# Allegro board SDHCalFEB_old.brd (continued)
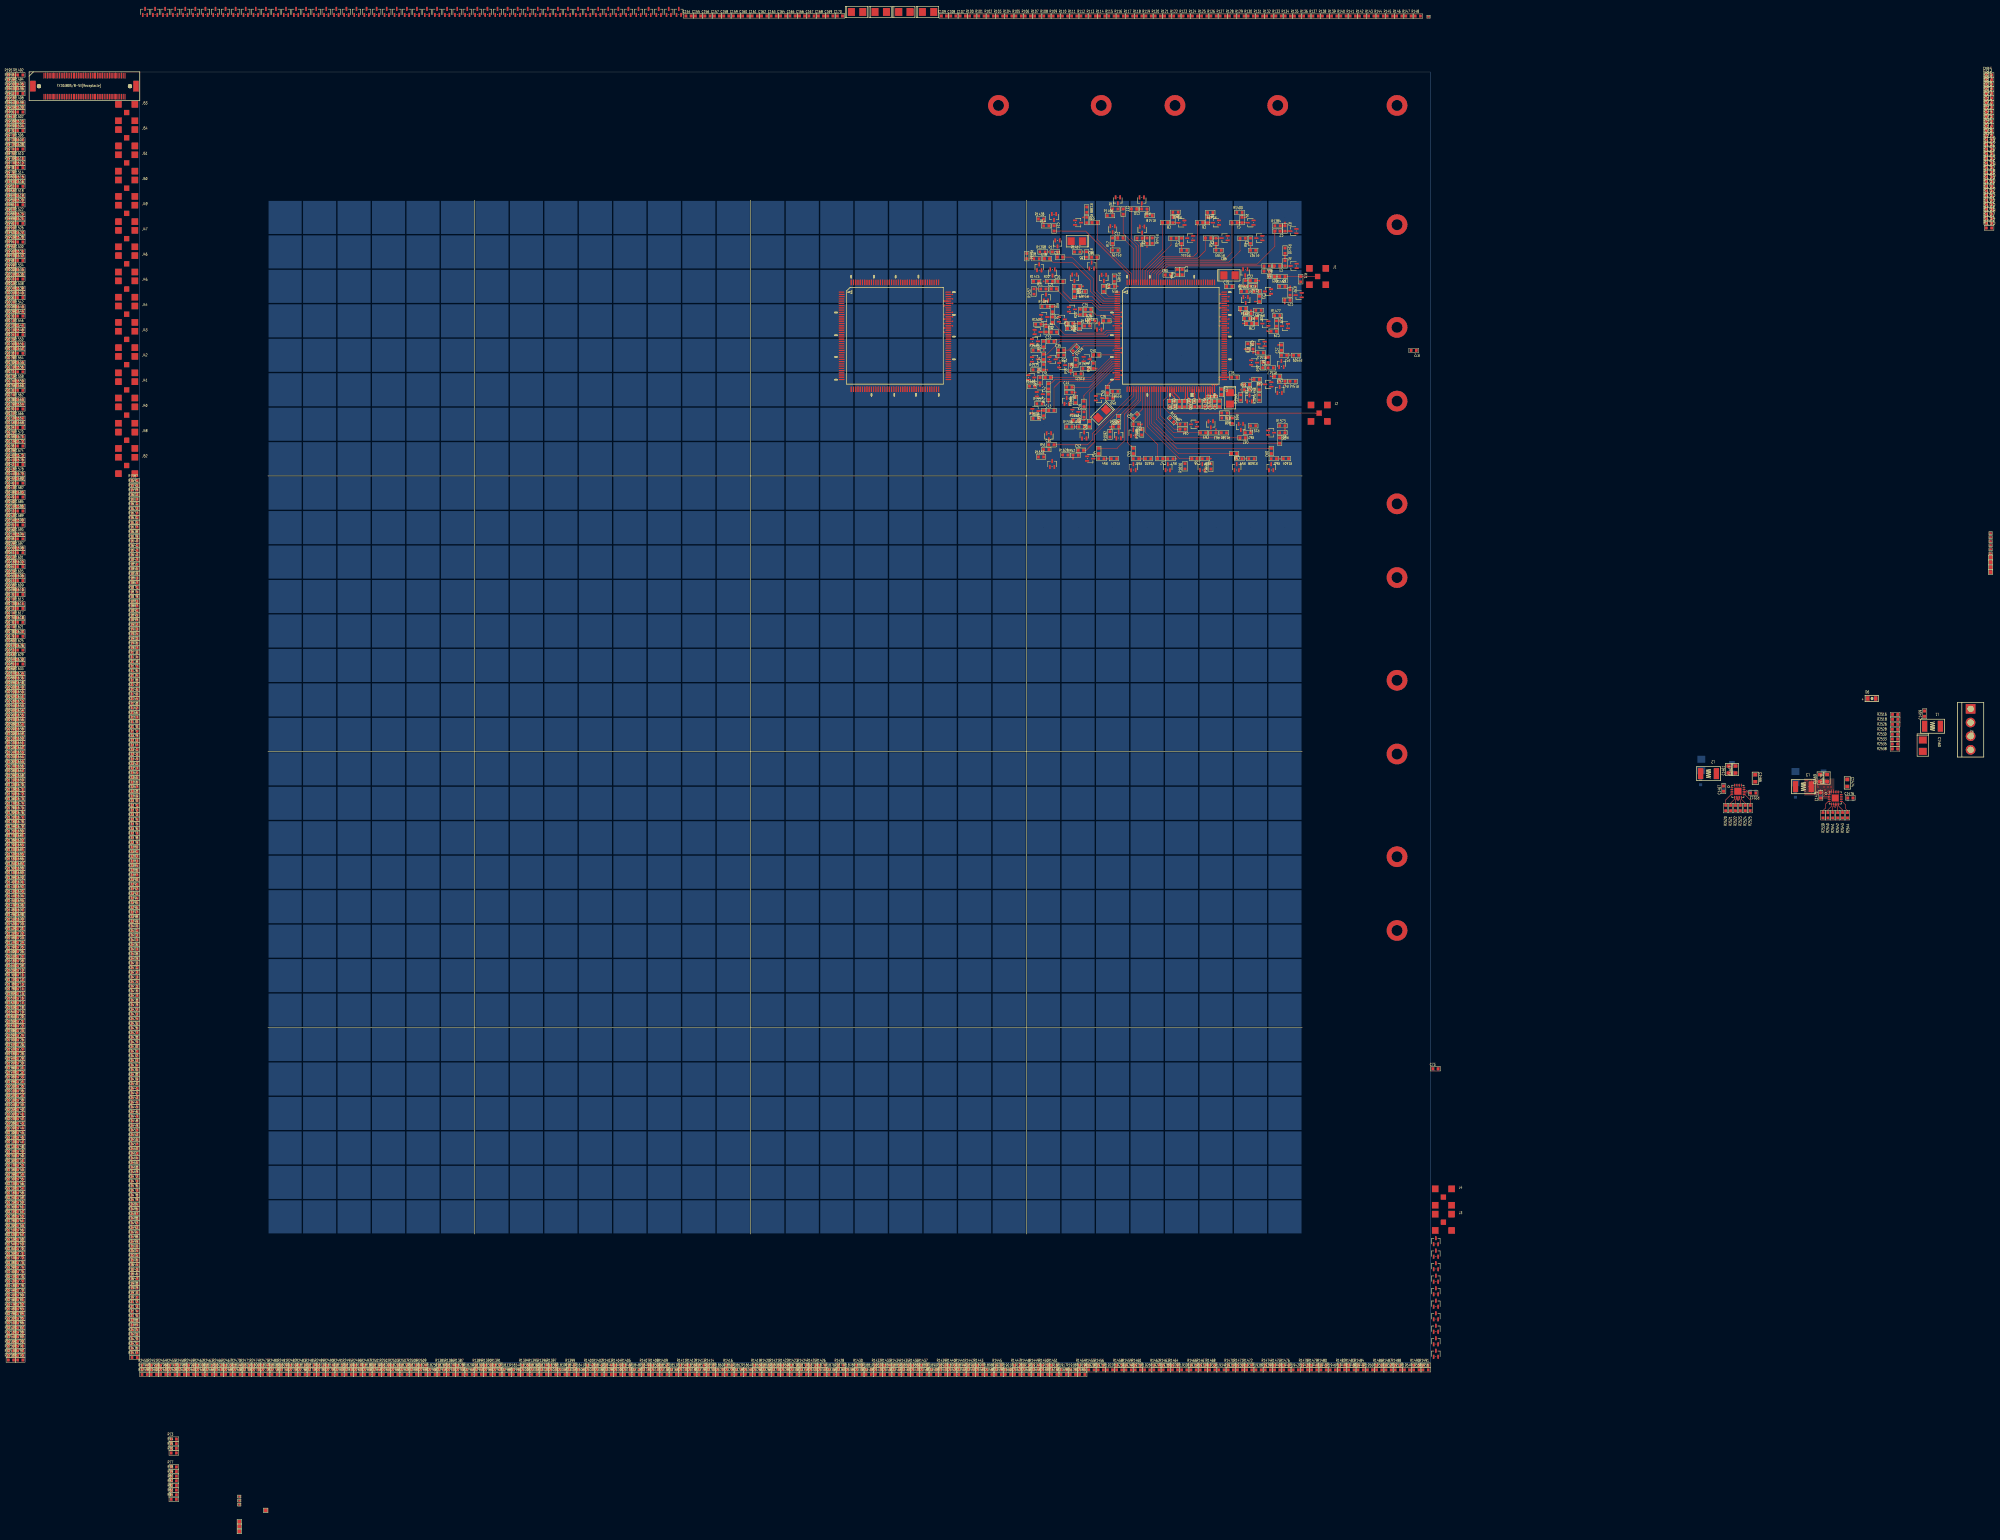
[diagram p0: board, top side]
## Placement (name value [footprint] x y rotation side) (continued)
R1485  1M  [SR0603]  324.51 305.26 180 top
R1486  1M  [SR0603]  359.54 -0.84 0 top
R1487  1M  [SR0603]  362.23 -0.84 0 top
R1488  1M  [SR0603]  364.92 -0.84 0 top
R1489  1M  [SR0603]  262.53 306.35 0 top
R1490  1M  [SR0603]  370.31 -0.84 0 top
R1491  1M  [SR0603]  373 -0.84 0 top
R1492  1M  [SR0603]  -34.64 373.56 0 top
R1493  1M  [SR0603]  275.12 304.01 180 top
R1494  1M  [SR0603]  -34.64 370.87 0 top
R1495  1M  [SR0603]  -34.64 369.52 0 top
R1496  1M  [SR0603]  -34.64 368.18 0 top
R1497  1M  [SR0603]  274.81 300.69 0 top
R1498  1M  [SR0603]  -34.64 365.48 0 top
R1499  1M  [SR0603]  -34.64 364.14 0 top
R1500  1M  [SR0603]  -34.64 362.79 0 top
R1501  1M  [SR0603]  272.61 300.69 90 top
R1502  1M  [SR0603]  -34.64 360.1 0 top
R1503  1M  [SR0603]  -34.64 358.75 0 top
R1504  1M  [SR0603]  -34.64 357.41 0 top
R1505  1M  [SR0603]  260.66 301.2 0 top
R1506  1M  [SR0603]  -34.64 354.71 0 top
R1507  1M  [SR0603]  -34.64 353.37 0 top
R1508  1M  [SR0603]  -34.64 352.02 0 top
R1509  1M  [SR0603]  335.42 292.2 180 top
R1510  1M  [SR0603]  -34.64 349.33 0 top
R1511  1M  [SR0603]  -34.64 347.98 0 top
R1512  1M  [SR0603]  -34.64 346.64 0 top
R1513  1M  [SR0603]  325.14 292.93 180 top
R1514  1M  [SR0603]  -34.64 343.95 0 top
R1515  1M  [SR0603]  -34.64 342.6 0 top
R1516  1M  [SR0603]  -34.64 341.25 0 top
R1517  1M  [SR0603]  328.06 288.57 180 top
R1518  1M  [SR0603]  -34.64 338.56 0 top
R1519  1M  [SR0603]  -34.64 337.21 0 top
R1520  1M  [SR0603]  -34.64 335.87 0 top
R1521  1M  [SR0603]  272.28 286.81 180 top
R1522  1M  [SR0603]  -34.64 333.18 0 top
R1523  1M  [SR0603]  -34.64 331.83 0 top
R1524  1M  [SR0603]  -34.64 330.48 0 top
R1525  1M  [SR0603]  259.9 287.99 0 top
R1526  1M  [SR0603]  -34.64 327.79 0 top
R1527  1M  [SR0603]  -34.64 326.44 0 top
R1528  1M  [SR0603]  -34.64 325.1 0 top
R1529  1M  [SR0603]  274.35 288.37 0 top
R1530  1M  [SR0603]  -34.64 322.41 0 top
R1531  1M  [SR0603]  -34.64 321.06 0 top
R1532  1M  [SR0603]  -34.64 319.71 0 top
R1533  1M  [SR0603]  271.25 294.06 225 top
R1534  1M  [SR0603]  -34.64 317.02 0 top
R1535  1M  [SR0603]  -34.64 315.68 0 top
R1536  1M  [SR0603]  -34.64 314.33 0 top
R1537  1M  [SR0603]  259.93 293.68 0 top
R1538  1M  [SR0603]  -34.64 311.64 0 top
R1539  1M  [SR0603]  -34.64 310.29 0 top
R1540  1M  [SR0603]  -34.64 308.94 0 top
R1541  1M  [SR0603]  334.43 284.65 180 top
R1542  1M  [SR0603]  -34.64 306.25 0 top
R1543  1M  [SR0603]  -34.64 304.91 0 top
R1544  1M  [SR0603]  -34.64 303.56 0 top
R1545  1M  [SR0603]  324.74 279.94 90 top
R1546  1M  [SR0603]  -34.64 300.87 0 top
R1547  1M  [SR0603]  -34.64 299.52 0 top
R1548  1M  [SR0603]  -34.64 298.17 0 top
R1549  1M  [SR0603]  319.35 279.97 90 top
R1550  1M  [SR0603]  -34.64 295.48 0 top
R1551  1M  [SR0603]  -34.64 294.14 0 top
R1552  1M  [SR0603]  -34.64 292.79 0 top
R1553  1M  [SR0603]  271.56 273.31 0 top
R1554  1M  [SR0603]  -34.64 290.1 0 top
R1555  1M  [SR0603]  -34.64 288.75 0 top
R1556  1M  [SR0603]  -34.64 287.4 0 top
R1557  1M  [SR0603]  260.99 278.13 0 top
R1558  1M  [SR0603]  -34.64 284.71 0 top
R1559  1M  [SR0603]  -34.64 283.37 0 top
R1560  1M  [SR0603]  -34.64 282.02 0 top
R1561  1M  [SR0603]  282.97 281.76 180 top
R1562  1M  [SR0603]  -34.64 279.33 0 top
R1563  1M  [SR0603]  -34.64 277.98 0 top
R1564  1M  [SR0603]  -34.64 276.64 0 top
R1565  1M  [SR0603]  271.45 279.23 90 top
R1566  1M  [SR0603]  -34.64 273.94 0 top
R1567  1M  [SR0603]  -34.64 272.6 0 top
R1568  1M  [SR0603]  -34.64 271.25 0 top
R1569  1M  [SR0603]  258.86 283.24 0 top
R1570  1M  [SR0603]  -34.64 268.56 0 top
R1571  1M  [SR0603]  -34.64 267.21 0 top
R1572  1M  [SR0603]  -34.64 265.87 0 top
R1573  1M  [SR0603]  331.43 271.76 0 top
R1574  1M  [SR0603]  -34.64 263.17 0 top
R1575  1M  [SR0603]  -34.64 261.83 0 top
R1576  1M  [SR0603]  -34.64 260.48 0 top
R1577  1M  [SR0603]  322.98 271.73 180 top
R1578  1M  [SR0603]  -34.64 257.79 0 top
R1579  1M  [SR0603]  -34.64 256.44 0 top
R1580  1M  [SR0603]  -34.64 255.1 0 top
R1581  1M  [SR0603]  314.47 269.69 180 top
R1582  1M  [SR0603]  -34.64 252.4 0 top
R1583  1M  [SR0603]  -34.64 251.06 0 top
R1584  1M  [SR0603]  299.43 273.4 315 top
R1585  1M  [SR0603]  -34.64 248.37 0 top
R1586  1M  [SR0603]  -34.64 247.02 0 top
R1587  0  [SR0603]  -1.45 255.83 0 top
R1588  1M  [SR0603]  290.65 269.86 90 top
R1589  1M  [SR0603]  -34.64 244.33 0 top
R1590  1M  [SR0603]  -34.64 242.98 0 top
R1591  0  [SR0603]  -1.45 254.48 0 top
R1592  1M  [SR0603]  281.45 269.25 90 top
R1593  1M  [SR0603]  -34.64 240.29 0 top
R1594  1M  [SR0603]  -34.64 238.94 0 top
R1595  0  [SR0603]  -1.45 253.14 0 top
R1596  1M  [SR0603]  269.68 271.45 0 top
R1597  1M  [SR0603]  -34.64 236.25 0 top
R1598  1M  [SR0603]  -34.64 234.9 0 top
R1599  0  [SR0603]  -1.45 251.79 0 top
R1600  1M  [SR0603]  259.9 273.87 0 top
R1601  1M  [SR0603]  -34.64 232.21 0 top
R1602  1M  [SR0603]  -34.64 230.86 0 top
R1603  0  [SR0603]  -1.45 250.45 0 top
R1604  1M  [SR0603]  332.48 262.2 180 top
R1605  1M  [SR0603]  -34.64 228.17 0 top
R1606  1M  [SR0603]  -34.64 226.83 0 top
R1607  0  [SR0603]  -1.45 249.1 0 top
R1608  1M  [SR0603]  322.49 262.2 180 top
R1609  1M  [SR0603]  -34.64 224.13 0 top
R1610  1M  [SR0603]  -34.64 222.79 0 top
R1611  0  [SR0603]  -1.45 247.75 0 top
R1612  1M  [SR0603]  310.71 259.95 90 top
R1613  1M  [SR0603]  -34.64 220.09 0 top
R1614  1M  [SR0603]  -34.64 218.75 0 top
R1615  0  [SR0603]  265.3 -3.53 0 top
R1616  1M  [SR0603]  303.2 260 90 top
R1617  1M  [SR0603]  -34.64 216.06 0 top
R1618  1M  [SR0603]  -34.64 214.71 0 top
R1619  0  [SR0603]  270.69 -3.53 0 top
R1620  1M  [SR0603]  292.5 262.2 180 top
R1621  1M  [SR0603]  -34.64 212.02 0 top
R1622  1M  [SR0603]  -34.64 210.67 0 top
R1623  0  [SR0603]  -1.45 246.41 0 top
R1624  1M  [SR0603]  282.62 262.2 180 top
R1625  1M  [SR0603]  -34.64 207.98 0 top
R1626  1M  [SR0603]  -34.64 206.63 0 top
R1627  0  [SR0603]  -1.45 245.06 0 top
R1628  1M  [SR0603]  268.49 263.25 0 top
R1629  1M  [SR0603]  -34.64 203.94 0 top
R1630  1M  [SR0603]  -34.64 202.59 0 top
R1631  0  [SR0603]  -1.45 243.71 0 top
R1632  1M  [SR0603]  261.45 262.69 0 top
R1633  1M  [SR0603]  -34.64 199.9 0 top
R1634  1M  [SR0603]  -34.64 198.56 0 top
R1635  0  [SR0603]  -1.45 242.37 0 top
R1636  1M  [SR0603]  -34.64 197.21 0 top
R1637  0  [SR0603]  -1.45 241.02 0 top
R1638  0  [SR0603]  -1.45 239.68 0 top
R1639  0  [SR0603]  -1.45 238.33 0 top
R1640  0  [SR0603]  -1.45 236.98 0 top
R1641  0  [SR0603]  -1.45 235.64 0 top
R1642  0  [SR0603]  -1.45 234.29 0 top
R1643  0  [SR0603]  -1.45 232.95 0 top
R1644  x  [SR0603]  -1.45 26.98 0 top
R1645  x  [SR0603]  -1.45 25.63 0 top
R1646  x  [SR0603]  -1.45 24.28 0 top
R1647  x  [SR0603]  -1.45 22.94 0 top
R1648  1M  [SR0603]  -34.64 195.86 0 top
R1649  1M  [SR0603]  -34.64 194.52 0 top
R1650  1M  [SR0603]  -34.64 193.17 0 top
R1651  1M  [SR0603]  -34.64 191.82 0 top
R1652  1M  [SR0603]  -34.64 190.48 0 top
R1653  1M  [SR0603]  -34.64 189.13 0 top
R1654  1M  [SR0603]  -34.64 187.79 0 top
R1655  1M  [SR0603]  -34.64 186.44 0 top
R1656  1M  [SR0603]  -34.64 185.09 0 top
R1657  1M  [SR0603]  -34.64 183.75 0 top
R1658  1M  [SR0603]  -34.64 182.4 0 top
R1659  1M  [SR0603]  -34.64 181.06 0 top
R1660  1M  [SR0603]  -34.64 179.71 0 top
R1661  1M  [SR0603]  -34.64 178.36 0 top
R1662  1M  [SR0603]  -34.64 177.02 0 top
R1663  1M  [SR0603]  -34.64 175.67 0 top
R1664  1M  [SR0603]  -34.64 174.32 0 top
R1665  1M  [SR0603]  -34.64 172.98 0 top
R1666  1M  [SR0603]  -34.64 171.63 0 top
R1667  1M  [SR0603]  -34.64 170.29 0 top
R1668  1M  [SR0603]  -34.64 168.94 0 top
R1669  1M  [SR0603]  -34.64 167.59 0 top
R1670  1M  [SR0603]  -34.64 166.25 0 top
R1671  1M  [SR0603]  -34.64 164.9 0 top
R1672  1M  [SR0603]  -34.64 163.55 0 top
R1673  1M  [SR0603]  -34.64 162.21 0 top
R1674  1M  [SR0603]  -34.64 160.86 0 top
R1675  1M  [SR0603]  -34.64 159.52 0 top
R1676  1M  [SR0603]  -34.64 158.17 0 top
R1677  1M  [SR0603]  -34.64 156.82 0 top
R1678  1M  [SR0603]  -34.64 155.48 0 top
R1679  1M  [SR0603]  -34.64 154.13 0 top
R1680  1M  [SR0603]  -34.64 152.78 0 top
R1681  1M  [SR0603]  -34.64 151.44 0 top
R1682  1M  [SR0603]  -34.64 150.09 0 top
R1683  1M  [SR0603]  -34.64 148.75 0 top
R1684  1M  [SR0603]  -34.64 147.4 0 top
R1685  1M  [SR0603]  -34.64 146.05 0 top
R1686  1M  [SR0603]  -34.64 144.71 0 top
R1687  1M  [SR0603]  -34.64 143.36 0 top
R1688  1M  [SR0603]  -34.64 142.02 0 top
R1689  1M  [SR0603]  -34.64 140.67 0 top
R1690  1M  [SR0603]  -34.64 139.32 0 top
R1691  1M  [SR0603]  -34.64 137.98 0 top
R1692  1M  [SR0603]  -34.64 136.63 0 top
R1693  1M  [SR0603]  -34.64 135.28 0 top
R1694  1M  [SR0603]  -34.64 133.94 0 top
R1695  1M  [SR0603]  -34.64 132.59 0 top
R1696  1M  [SR0603]  -34.64 131.25 0 top
R1697  1M  [SR0603]  -34.64 129.9 0 top
R1698  1M  [SR0603]  -34.64 128.55 0 top
R1699  1M  [SR0603]  -34.64 127.21 0 top
R1700  1M  [SR0603]  -34.64 125.86 0 top
R1701  1M  [SR0603]  -34.64 124.51 0 top
R1702  1M  [SR0603]  -34.64 123.17 0 top
R1703  1M  [SR0603]  -34.64 121.82 0 top
R1704  1M  [SR0603]  -34.64 120.48 0 top
R1705  1M  [SR0603]  -34.64 119.13 0 top
R1706  1M  [SR0603]  -34.64 117.78 0 top
R1707  1M  [SR0603]  -34.64 116.44 0 top
R1708  1M  [SR0603]  -34.64 115.09 0 top
R1709  1M  [SR0603]  -34.64 113.75 0 top
R1710  1M  [SR0603]  -34.64 112.4 0 top
R1711  1M  [SR0603]  -34.64 111.05 0 top
R1712  1M  [SR0603]  -34.64 109.71 0 top
R1713  1M  [SR0603]  -34.64 108.36 0 top
R1714  1M  [SR0603]  -34.64 107.01 0 top
R1715  1M  [SR0603]  -34.64 105.67 0 top
R1716  1M  [SR0603]  -34.64 104.32 0 top
R1717  1M  [SR0603]  -34.64 102.98 0 top
R1718  1M  [SR0603]  -34.64 101.63 0 top
R1719  1M  [SR0603]  -34.64 100.28 0 top
R1720  1M  [SR0603]  -34.64 98.94 0 top
R1721  1M  [SR0603]  -34.64 97.59 0 top
R1722  1M  [SR0603]  -34.64 96.24 0 top
R1723  1M  [SR0603]  -34.64 94.9 0 top
R1724  1M  [SR0603]  -34.64 93.55 0 top
R1725  1M  [SR0603]  -34.64 92.21 0 top
R1726  1M  [SR0603]  -34.64 90.86 0 top
R1727  1M  [SR0603]  -34.64 89.51 0 top
R1728  1M  [SR0603]  -34.64 88.17 0 top
R1729  1M  [SR0603]  -34.64 86.82 0 top
R1730  1M  [SR0603]  -34.64 85.47 0 top
R1731  1M  [SR0603]  -34.64 84.13 0 top
R1732  1M  [SR0603]  -34.64 82.78 0 top
R1733  1M  [SR0603]  -34.64 81.44 0 top
R1734  1M  [SR0603]  -34.64 80.09 0 top
R1735  1M  [SR0603]  -34.64 78.74 0 top
R1736  1M  [SR0603]  -34.64 77.4 0 top
R1737  1M  [SR0603]  -34.64 76.05 0 top
R1738  1M  [SR0603]  -34.64 74.71 0 top
R1739  1M  [SR0603]  -34.64 73.36 0 top
R1740  1M  [SR0603]  -34.64 72.01 0 top
R1741  1M  [SR0603]  -34.64 70.67 0 top
R1742  1M  [SR0603]  -34.64 69.32 0 top
R1743  1M  [SR0603]  -34.64 67.97 0 top
R1744  1M  [SR0603]  -34.64 66.63 0 top
R1745  1M  [SR0603]  -34.64 65.28 0 top
R1746  1M  [SR0603]  -34.64 63.94 0 top
R1747  1M  [SR0603]  -34.64 62.59 0 top
R1748  1M  [SR0603]  -34.64 61.24 0 top
R1749  1M  [SR0603]  -34.64 59.9 0 top
R1750  1M  [SR0603]  -34.64 58.55 0 top
R1751  1M  [SR0603]  -34.64 57.2 0 top
R1752  1M  [SR0603]  -34.64 55.86 0 top
R1753  1M  [SR0603]  -34.64 54.51 0 top
R1754  1M  [SR0603]  -34.64 53.17 0 top
R1755  1M  [SR0603]  -34.64 51.82 0 top
R1756  1M  [SR0603]  -34.64 50.47 0 top
R1757  1M  [SR0603]  -34.64 49.13 0 top
R1758  1M  [SR0603]  -34.64 47.78 0 top
R1759  1M  [SR0603]  -34.64 46.44 0 top
R1760  1M  [SR0603]  -34.64 45.09 0 top
R1761  1M  [SR0603]  -34.64 43.74 0 top
R1762  1M  [SR0603]  -34.64 42.4 0 top
R1763  1M  [SR0603]  -34.64 41.05 0 top
R1764  1M  [SR0603]  -34.64 39.7 0 top
R1765  1M  [SR0603]  -34.64 38.36 0 top
R1766  1M  [SR0603]  -34.64 37.01 0 top
R1767  1M  [SR0603]  -34.64 35.67 0 top
R1768  1M  [SR0603]  -34.64 34.32 0 top
R1769  1M  [SR0603]  -34.64 32.97 0 top
R1770  1M  [SR0603]  -34.64 31.63 0 top
R1771  1M  [SR0603]  -34.64 30.28 0 top
R1772  1M  [SR0603]  -34.64 28.93 0 top
R1773  1M  [SR0603]  -34.64 27.59 0 top
R1774  1M  [SR0603]  -34.64 26.24 0 top
R1775  1M  [SR0603]  -34.64 24.9 0 top
R1776  1M  [SR0603]  -34.64 23.55 0 top
R1777  1M  [SR0603]  -34.64 22.2 0 top
R1778  1M  [SR0603]  -34.64 20.86 0 top
R1779  1M  [SR0603]  -34.64 19.51 0 top
R1780  1M  [SR0603]  -34.64 18.16 0 top
R1781  1M  [SR0603]  -34.64 16.82 0 top
R1782  1M  [SR0603]  -34.64 15.47 0 top
R1783  1M  [SR0603]  -34.64 14.13 0 top
R1784  1M  [SR0603]  -34.64 12.78 0 top
R1785  1M  [SR0603]  -34.64 11.43 0 top
R1786  1M  [SR0603]  -34.64 10.09 0 top
R1787  1M  [SR0603]  -34.64 8.74 0 top
R1788  1M  [SR0603]  -34.64 7.4 0 top
R1789  1M  [SR0603]  -34.64 6.05 0 top
R1790  1M  [SR0603]  -34.64 4.7 0 top
R1791  1M  [SR0603]  -34.64 3.36 0 top
R1792  1M  [SR0603]  -34.64 2.01 0 top
R1793  1M  [SR0603]  -34.64 0.66 0 top
R1794  1M  [SR0603]  1.45 -2.18 0 top
R1795  1M  [SR0603]  4.14 -2.18 0 top
R1796  1M  [SR0603]  6.83 -2.18 0 top
R1797  1M  [SR0603]  9.53 -2.18 0 top
R1798  1M  [SR0603]  12.22 -2.18 0 top
R1799  1M  [SR0603]  14.91 -2.18 0 top
R1800  1M  [SR0603]  17.6 -2.18 0 top
R1801  1M  [SR0603]  20.29 -2.18 0 top
R1802  1M  [SR0603]  22.99 -2.18 0 top
R1803  1M  [SR0603]  25.68 -2.18 0 top
R1804  1M  [SR0603]  28.37 -2.18 0 top
R1805  1M  [SR0603]  31.06 -2.18 0 top
R1806  1M  [SR0603]  33.76 -2.18 0 top
R1807  1M  [SR0603]  36.45 -2.18 0 top
R1808  1M  [SR0603]  39.14 -2.18 0 top
R1809  1M  [SR0603]  41.83 -2.18 0 top
R1810  1M  [SR0603]  44.53 -2.18 0 top
R1811  1M  [SR0603]  47.22 -2.18 0 top
R1812  1M  [SR0603]  49.91 -2.18 0 top
R1813  1M  [SR0603]  52.6 -2.18 0 top
R1814  1M  [SR0603]  55.3 -2.18 0 top
R1815  1M  [SR0603]  57.99 -2.18 0 top
R1816  1M  [SR0603]  60.68 -2.18 0 top
R1817  1M  [SR0603]  63.37 -2.18 0 top
R1818  1M  [SR0603]  66.07 -2.18 0 top
R1819  1M  [SR0603]  68.76 -2.18 0 top
R1820  1M  [SR0603]  71.45 -2.18 0 top
R1821  1M  [SR0603]  74.14 -2.18 0 top
R1822  1M  [SR0603]  76.83 -2.18 0 top
R1823  1M  [SR0603]  79.53 -2.18 0 top
R1824  1M  [SR0603]  82.22 -2.18 0 top
R1825  1M  [SR0603]  84.91 -2.18 0 top
R1826  1M  [SR0603]  87.6 -2.18 0 top
R1827  1M  [SR0603]  90.3 -2.18 0 top
R1828  1M  [SR0603]  92.99 -2.18 0 top
R1829  1M  [SR0603]  95.68 -2.18 0 top
R1830  1M  [SR0603]  98.37 -2.18 0 top
R1831  1M  [SR0603]  101.07 -2.18 0 top
R1832  1M  [SR0603]  103.76 -2.18 0 top
R1833  1M  [SR0603]  106.45 -2.18 0 top
R1834  1M  [SR0603]  109.14 -2.18 0 top
R1835  1M  [SR0603]  111.84 -2.18 0 top
R1836  1M  [SR0603]  114.53 -2.18 0 top
R1837  1M  [SR0603]  117.22 -2.18 0 top
R1838  1M  [SR0603]  119.91 -2.18 0 top
R1839  1M  [SR0603]  122.61 -2.18 0 top
R1840  1M  [SR0603]  125.3 -2.18 0 top
R1841  1M  [SR0603]  127.99 -2.18 0 top
R1842  1M  [SR0603]  130.68 -2.18 0 top
R1843  1M  [SR0603]  133.38 -2.18 0 top
R1844  1M  [SR0603]  136.07 -2.18 0 top
R1845  1M  [SR0603]  138.76 -2.18 0 top
R1846  1M  [SR0603]  141.45 -2.18 0 top
R1847  0  [SR0603]  -1.45 231.6 0 top
R1848  1M  [SR0603]  144.15 -2.18 0 top
R1849  1M  [SR0603]  146.84 -2.18 0 top
R1850  1M  [SR0603]  149.53 -2.18 0 top
R1851  0  [SR0603]  -1.45 230.25 0 top
R1852  1M  [SR0603]  152.22 -2.18 0 top
R1853  1M  [SR0603]  154.91 -2.18 0 top
R1854  1M  [SR0603]  157.61 -2.18 0 top
R1855  0  [SR0603]  -1.45 228.91 0 top
R1856  1M  [SR0603]  160.3 -2.18 0 top
R1857  1M  [SR0603]  162.99 -2.18 0 top
R1858  1M  [SR0603]  165.68 -2.18 0 top
R1859  0  [SR0603]  -1.45 227.56 0 top
R1860  1M  [SR0603]  168.38 -2.18 0 top
R1861  1M  [SR0603]  171.07 -2.18 0 top
R1862  1M  [SR0603]  173.76 -2.18 0 top
R1863  0  [SR0603]  -1.45 226.21 0 top
R1864  1M  [SR0603]  176.45 -2.18 0 top
R1865  1M  [SR0603]  179.15 -2.18 0 top
R1866  1M  [SR0603]  181.84 -2.18 0 top
R1867  0  [SR0603]  -1.45 224.87 0 top
R1868  1M  [SR0603]  184.53 -2.18 0 top
R1869  1M  [SR0603]  187.22 -2.18 0 top
R1870  1M  [SR0603]  189.92 -2.18 0 top
R1871  0  [SR0603]  -1.45 223.52 0 top
R1872  1M  [SR0603]  192.61 -2.18 0 top
R1873  1M  [SR0603]  195.3 -2.18 0 top
R1874  1M  [SR0603]  197.99 -2.18 0 top
R1875  0  [SR0603]  -1.45 222.18 0 top
R1876  1M  [SR0603]  200.69 -2.18 0 top
R1877  1M  [SR0603]  203.38 -2.18 0 top
R1878  1M  [SR0603]  206.07 -2.18 0 top
R1879  0  [SR0603]  -1.45 220.83 0 top
R1880  1M  [SR0603]  208.76 -2.18 0 top
R1881  1M  [SR0603]  211.46 -2.18 0 top
R1882  1M  [SR0603]  214.15 -2.18 0 top
R1883  0  [SR0603]  -1.45 219.48 0 top
R1884  1M  [SR0603]  216.84 -2.18 0 top
R1885  1M  [SR0603]  219.53 -2.18 0 top
R1886  1M  [SR0603]  222.22 -2.18 0 top
R1887  0  [SR0603]  -1.45 218.14 0 top
R1888  1M  [SR0603]  224.92 -2.18 0 top
R1889  1M  [SR0603]  227.61 -2.18 0 top
R1890  1M  [SR0603]  230.3 -2.18 0 top
R1891  0  [SR0603]  -1.45 216.79 0 top
R1892  1M  [SR0603]  232.99 -2.18 0 top
R1893  1M  [SR0603]  235.69 -2.18 0 top
R1894  1M  [SR0603]  238.38 -2.18 0 top
R1895  0  [SR0603]  -1.45 215.44 0 top
R1896  1M  [SR0603]  241.07 -2.18 0 top
R1897  1M  [SR0603]  243.76 -2.18 0 top
R1898  1M  [SR0603]  246.46 -2.18 0 top
R1899  0  [SR0603]  -1.45 214.1 0 top
R1900  1M  [SR0603]  249.15 -2.18 0 top
R1901  1M  [SR0603]  251.84 -2.18 0 top
R1902  0  [SR0603]  -1.45 212.75 0 top
R1903  0  [SR0603]  -1.45 211.41 0 top
R1904  0  [SR0603]  -1.45 210.06 0 top
R1905  0  [SR0603]  -1.45 208.71 0 top
R1906  0  [SR0603]  -1.45 207.37 0 top
R1907  0  [SR0603]  -1.45 206.02 0 top
R1908  x  [SR0603]  -1.45 21.59 0 top
R1909  x  [SR0603]  -1.45 20.25 0 top
R1910  x  [SR0603]  -1.45 18.9 0 top
R1911  x  [SR0603]  -1.45 17.55 0 top
R1912  1M  [SR0603]  254.53 -2.18 0 top
R1913  1M  [SR0603]  257.23 -2.18 0 top
R1914  1M  [SR0603]  259.92 -2.18 0 top
R1915  1M  [SR0603]  262.61 -2.18 0 top
R1916  1M  [SR0603]  265.3 -2.18 0 top
R1917  1M  [SR0603]  268 -2.18 0 top
R1918  1M  [SR0603]  270.69 -2.18 0 top
R1919  1M  [SR0603]  273.38 -2.18 0 top
R1920  1M  [SR0603]  276.07 -2.18 0 top
R1921  1M  [SR0603]  278.76 -2.18 0 top
R1922  1M  [SR0603]  281.46 -2.18 0 top
R1923  1M  [SR0603]  284.15 -2.18 0 top
R1924  1M  [SR0603]  286.84 -2.18 0 top
R1925  1M  [SR0603]  289.53 -2.18 0 top
R1926  1M  [SR0603]  292.23 -2.18 0 top
R1927  1M  [SR0603]  294.92 -2.18 0 top
R1928  1M  [SR0603]  297.61 -2.18 0 top
R1929  1M  [SR0603]  300.3 -2.18 0 top
R1930  1M  [SR0603]  303 -2.18 0 top
R1931  1M  [SR0603]  305.69 -2.18 0 top
R1932  1M  [SR0603]  308.38 -2.18 0 top
R1933  1M  [SR0603]  311.07 -2.18 0 top
R1934  1M  [SR0603]  313.77 -2.18 0 top
R1935  1M  [SR0603]  316.46 -2.18 0 top
R1936  1M  [SR0603]  319.15 -2.18 0 top
R1937  1M  [SR0603]  321.84 -2.18 0 top
R1938  1M  [SR0603]  324.54 -2.18 0 top
R1939  1M  [SR0603]  327.23 -2.18 0 top
R1940  1M  [SR0603]  329.92 -2.18 0 top
R1941  1M  [SR0603]  332.61 -2.18 0 top
R1942  1M  [SR0603]  335.31 -2.18 0 top
R1943  1M  [SR0603]  338 -2.18 0 top
R1944  1M  [SR0603]  340.69 -2.18 0 top
R1945  1M  [SR0603]  343.38 -2.18 0 top
R1946  1M  [SR0603]  346.07 -2.18 0 top
R1947  1M  [SR0603]  348.77 -2.18 0 top
R1948  1M  [SR0603]  351.46 -2.18 0 top
R1949  1M  [SR0603]  354.15 -2.18 0 top
R1950  1M  [SR0603]  356.84 -2.18 0 top
R1951  1M  [SR0603]  359.54 -2.18 0 top
R1952  1M  [SR0603]  362.23 -2.18 0 top
R1953  1M  [SR0603]  364.92 -2.18 0 top
R1954  1M  [SR0603]  367.61 -2.18 0 top
R1955  1M  [SR0603]  370.31 -2.18 0 top
R1956  1M  [SR0603]  373 -2.18 0 top
R1957  1M  [SR0603]  -37.33 373.56 0 top
R1958  1M  [SR0603]  -37.33 372.22 0 top
R1959  1M  [SR0603]  -37.33 370.87 0 top
R1960  1M  [SR0603]  -37.33 369.52 0 top
R1961  1M  [SR0603]  -37.33 368.18 0 top
R1962  1M  [SR0603]  -37.33 366.83 0 top
R1963  1M  [SR0603]  -37.33 365.48 0 top
R1964  1M  [SR0603]  -37.33 364.14 0 top
R1965  1M  [SR0603]  -37.33 362.79 0 top
R1966  1M  [SR0603]  -37.33 361.45 0 top
R1967  1M  [SR0603]  -37.33 360.1 0 top
R1968  1M  [SR0603]  -37.33 358.75 0 top
R1969  1M  [SR0603]  -37.33 357.41 0 top
R1970  1M  [SR0603]  -37.33 356.06 0 top
R1971  1M  [SR0603]  -37.33 354.71 0 top
R1972  1M  [SR0603]  -37.33 353.37 0 top
R1973  1M  [SR0603]  -37.33 352.02 0 top
R1974  1M  [SR0603]  -37.33 350.68 0 top
R1975  1M  [SR0603]  -37.33 349.33 0 top
R1976  1M  [SR0603]  -37.33 347.98 0 top
R1977  1M  [SR0603]  -37.33 346.64 0 top
R1978  1M  [SR0603]  -37.33 345.29 0 top
R1979  1M  [SR0603]  -37.33 343.95 0 top
R1980  1M  [SR0603]  -37.33 342.6 0 top
R1981  1M  [SR0603]  -37.33 341.25 0 top
R1982  1M  [SR0603]  -37.33 339.91 0 top
R1983  1M  [SR0603]  -37.33 338.56 0 top
R1984  1M  [SR0603]  -37.33 337.21 0 top
R1985  1M  [SR0603]  -37.33 335.87 0 top
R1986  1M  [SR0603]  -37.33 334.52 0 top
R1987  1M  [SR0603]  -37.33 333.18 0 top
R1988  1M  [SR0603]  -37.33 331.83 0 top
R1989  1M  [SR0603]  -37.33 330.48 0 top
R1990  1M  [SR0603]  -37.33 329.14 0 top
R1991  1M  [SR0603]  -37.33 327.79 0 top
R1992  1M  [SR0603]  -37.33 326.44 0 top
R1993  1M  [SR0603]  -37.33 325.1 0 top
R1994  1M  [SR0603]  -37.33 323.75 0 top
R1995  1M  [SR0603]  -37.33 322.41 0 top
R1996  1M  [SR0603]  -37.33 321.06 0 top
R1997  1M  [SR0603]  -37.33 319.71 0 top
R1998  1M  [SR0603]  -37.33 318.37 0 top
R1999  1M  [SR0603]  -37.33 317.02 0 top
R2000  1M  [SR0603]  -37.33 315.68 0 top
R2001  1M  [SR0603]  -37.33 314.33 0 top
R2002  1M  [SR0603]  -37.33 312.98 0 top
R2003  1M  [SR0603]  -37.33 311.64 0 top
R2004  1M  [SR0603]  -37.33 310.29 0 top
R2005  1M  [SR0603]  -37.33 308.94 0 top
R2006  1M  [SR0603]  -37.33 307.6 0 top
R2007  1M  [SR0603]  -37.33 306.25 0 top
R2008  1M  [SR0603]  -37.33 304.91 0 top
R2009  1M  [SR0603]  -37.33 303.56 0 top
R2010  1M  [SR0603]  -37.33 302.21 0 top
R2011  1M  [SR0603]  -37.33 300.87 0 top
R2012  1M  [SR0603]  -37.33 299.52 0 top
R2013  1M  [SR0603]  -37.33 298.17 0 top
R2014  1M  [SR0603]  -37.33 296.83 0 top
R2015  1M  [SR0603]  -37.33 295.48 0 top
R2016  1M  [SR0603]  -37.33 294.14 0 top
R2017  1M  [SR0603]  -37.33 292.79 0 top
R2018  1M  [SR0603]  -37.33 291.44 0 top
R2019  1M  [SR0603]  -37.33 290.1 0 top
R2020  1M  [SR0603]  -37.33 288.75 0 top
R2021  1M  [SR0603]  -37.33 287.4 0 top
R2022  1M  [SR0603]  -37.33 286.06 0 top
R2023  1M  [SR0603]  -37.33 284.71 0 top
R2024  1M  [SR0603]  -37.33 283.37 0 top
R2025  1M  [SR0603]  -37.33 282.02 0 top
R2026  1M  [SR0603]  -37.33 280.67 0 top
R2027  1M  [SR0603]  -37.33 279.33 0 top
R2028  1M  [SR0603]  -37.33 277.98 0 top
R2029  1M  [SR0603]  -37.33 276.64 0 top
R2030  1M  [SR0603]  -37.33 275.29 0 top
R2031  1M  [SR0603]  -37.33 273.94 0 top
R2032  1M  [SR0603]  -37.33 272.6 0 top
R2033  1M  [SR0603]  -37.33 271.25 0 top
R2034  1M  [SR0603]  -37.33 269.9 0 top
R2035  1M  [SR0603]  -37.33 268.56 0 top
R2036  1M  [SR0603]  -37.33 267.21 0 top
R2037  1M  [SR0603]  -37.33 265.87 0 top
R2038  1M  [SR0603]  -37.33 264.52 0 top
R2039  1M  [SR0603]  -37.33 263.17 0 top
R2040  1M  [SR0603]  -37.33 261.83 0 top
R2041  1M  [SR0603]  -37.33 260.48 0 top
R2042  1M  [SR0603]  -37.33 259.13 0 top
R2043  1M  [SR0603]  -37.33 257.79 0 top
R2044  1M  [SR0603]  -37.33 256.44 0 top
R2045  1M  [SR0603]  -37.33 255.1 0 top
R2046  1M  [SR0603]  -37.33 253.75 0 top
R2047  1M  [SR0603]  -37.33 252.4 0 top
R2048  1M  [SR0603]  -37.33 251.06 0 top
R2049  1M  [SR0603]  -37.33 249.71 0 top
R2050  1M  [SR0603]  -37.33 248.37 0 top
R2051  1M  [SR0603]  -37.33 247.02 0 top
R2052  1M  [SR0603]  -37.33 245.67 0 top
R2053  1M  [SR0603]  -37.33 244.33 0 top
R2054  1M  [SR0603]  -37.33 242.98 0 top
R2055  1M  [SR0603]  -37.33 241.63 0 top
R2056  1M  [SR0603]  -37.33 240.29 0 top
R2057  1M  [SR0603]  -37.33 238.94 0 top
R2058  1M  [SR0603]  -37.33 237.6 0 top
R2059  1M  [SR0603]  -37.33 236.25 0 top
R2060  1M  [SR0603]  -37.33 234.9 0 top
R2061  1M  [SR0603]  -37.33 233.56 0 top
R2062  1M  [SR0603]  -37.33 232.21 0 top
R2063  1M  [SR0603]  -37.33 230.86 0 top
R2064  1M  [SR0603]  -37.33 229.52 0 top
R2065  1M  [SR0603]  -37.33 228.17 0 top
R2066  1M  [SR0603]  -37.33 226.83 0 top
R2067  1M  [SR0603]  -37.33 225.48 0 top
R2068  1M  [SR0603]  -37.33 224.13 0 top
R2069  1M  [SR0603]  -37.33 222.79 0 top
R2070  1M  [SR0603]  -37.33 221.44 0 top
R2071  1M  [SR0603]  -37.33 220.09 0 top
R2072  1M  [SR0603]  -37.33 218.75 0 top
R2073  1M  [SR0603]  -37.33 217.4 0 top
R2074  1M  [SR0603]  -37.33 216.06 0 top
R2075  1M  [SR0603]  -37.33 214.71 0 top
R2076  1M  [SR0603]  -37.33 213.36 0 top
R2077  1M  [SR0603]  -37.33 212.02 0 top
R2078  1M  [SR0603]  -37.33 210.67 0 top
R2079  1M  [SR0603]  -37.33 209.33 0 top
R2080  1M  [SR0603]  -37.33 207.98 0 top
R2081  1M  [SR0603]  -37.33 206.63 0 top
R2082  1M  [SR0603]  -37.33 205.29 0 top
R2083  1M  [SR0603]  -37.33 203.94 0 top
R2084  1M  [SR0603]  -37.33 202.59 0 top
R2085  1M  [SR0603]  -37.33 201.25 0 top
R2086  1M  [SR0603]  -37.33 199.9 0 top
R2087  1M  [SR0603]  -37.33 198.56 0 top
R2088  1M  [SR0603]  -37.33 197.21 0 top
R2089  1M  [SR0603]  -37.33 195.86 0 top
R2090  1M  [SR0603]  -37.33 194.52 0 top
R2091  1M  [SR0603]  -37.33 193.17 0 top
R2092  1M  [SR0603]  -37.33 191.82 0 top
R2093  1M  [SR0603]  -37.33 190.48 0 top
R2094  1M  [SR0603]  -37.33 189.13 0 top
R2095  1M  [SR0603]  -37.33 187.79 0 top
R2096  1M  [SR0603]  -37.33 186.44 0 top
R2097  1M  [SR0603]  -37.33 185.09 0 top
R2098  1M  [SR0603]  -37.33 183.75 0 top
R2099  1M  [SR0603]  -37.33 182.4 0 top
R2100  1M  [SR0603]  -37.33 181.06 0 top
R2101  1M  [SR0603]  -37.33 179.71 0 top
R2102  1M  [SR0603]  -37.33 178.36 0 top
R2103  1M  [SR0603]  -37.33 177.02 0 top
R2104  1M  [SR0603]  -37.33 175.67 0 top
R2105  1M  [SR0603]  -37.33 174.32 0 top
R2106  1M  [SR0603]  -37.33 172.98 0 top
R2107  1M  [SR0603]  -37.33 171.63 0 top
R2108  1M  [SR0603]  -37.33 170.29 0 top
R2109  1M  [SR0603]  -37.33 168.94 0 top
R2110  0  [SR0603]  -1.45 204.67 0 top
R2111  1M  [SR0603]  -37.33 167.59 0 top
R2112  1M  [SR0603]  -37.33 166.25 0 top
R2113  1M  [SR0603]  -37.33 164.9 0 top
R2114  0  [SR0603]  -1.45 203.33 0 top
R2115  1M  [SR0603]  -37.33 163.55 0 top
R2116  1M  [SR0603]  -37.33 162.21 0 top
R2117  1M  [SR0603]  -37.33 160.86 0 top
R2118  0  [SR0603]  -1.45 201.98 0 top
R2119  1M  [SR0603]  -37.33 159.52 0 top
R2120  1M  [SR0603]  -37.33 158.17 0 top
R2121  1M  [SR0603]  -37.33 156.82 0 top
R2122  0  [SR0603]  -1.45 200.64 0 top
R2123  1M  [SR0603]  -37.33 155.48 0 top
R2124  1M  [SR0603]  -37.33 154.13 0 top
R2125  1M  [SR0603]  -37.33 152.78 0 top
R2126  0  [SR0603]  -1.45 199.29 0 top
R2127  1M  [SR0603]  -37.33 151.44 0 top
R2128  1M  [SR0603]  -37.33 150.09 0 top
R2129  1M  [SR0603]  -37.33 148.75 0 top
R2130  0  [SR0603]  -1.45 184.48 0 top
R2131  1M  [SR0603]  -37.33 147.4 0 top
R2132  1M  [SR0603]  -37.33 146.05 0 top
R2133  1M  [SR0603]  -37.33 144.71 0 top
R2134  0  [SR0603]  -1.45 197.94 0 top
R2135  1M  [SR0603]  -37.33 143.36 0 top
R2136  1M  [SR0603]  -37.33 142.02 0 top
R2137  1M  [SR0603]  -37.33 140.67 0 top
R2138  0  [SR0603]  -1.45 196.6 0 top
R2139  1M  [SR0603]  -37.33 139.32 0 top
R2140  1M  [SR0603]  -37.33 137.98 0 top
R2141  1M  [SR0603]  -37.33 136.63 0 top
R2142  0  [SR0603]  -1.45 195.25 0 top
R2143  1M  [SR0603]  -37.33 135.28 0 top
R2144  1M  [SR0603]  -37.33 133.94 0 top
R2145  1M  [SR0603]  -37.33 132.59 0 top
R2146  0  [SR0603]  -1.45 193.91 0 top
R2147  1M  [SR0603]  -37.33 131.25 0 top
R2148  1M  [SR0603]  -37.33 129.9 0 top
R2149  1M  [SR0603]  -37.33 128.55 0 top
R2150  0  [SR0603]  -1.45 192.56 0 top
R2151  1M  [SR0603]  -37.33 127.21 0 top
R2152  1M  [SR0603]  -37.33 125.86 0 top
R2153  1M  [SR0603]  -37.33 124.51 0 top
R2154  0  [SR0603]  -1.45 191.21 0 top
R2155  1M  [SR0603]  -37.33 123.17 0 top
R2156  1M  [SR0603]  -37.33 121.82 0 top
R2157  1M  [SR0603]  -37.33 120.48 0 top
R2158  0  [SR0603]  -1.45 189.87 0 top
R2159  1M  [SR0603]  -37.33 119.13 0 top
R2160  1M  [SR0603]  -37.33 117.78 0 top
R2161  1M  [SR0603]  -37.33 116.44 0 top
R2162  0  [SR0603]  -1.45 188.52 0 top
R2163  1M  [SR0603]  -37.33 115.09 0 top
R2164  1M  [SR0603]  -37.33 113.75 0 top
R2165  1M  [SR0603]  -37.33 112.4 0 top
R2166  0  [SR0603]  -1.45 187.17 0 top
R2167  0  [SR0603]  -1.45 185.83 0 top
R2168  0  [SR0603]  262.61 -3.53 0 top
R2169  0  [SR0603]  268 -3.53 0 top
R2170  0  [SR0603]  -1.45 183.14 0 top
R2171  0  [SR0603]  -1.45 181.79 0 top
R2172  x  [SR0603]  -1.45 16.21 0 top
R2173  x  [SR0603]  -1.45 14.86 0 top
R2174  x  [SR0603]  -1.45 13.51 0 top
R2175  x  [SR0603]  -1.45 12.17 0 top
R2176  1M  [SR0603]  -37.33 111.05 0 top
R2177  1M  [SR0603]  -37.33 109.71 0 top
R2178  1M  [SR0603]  -37.33 108.36 0 top
R2179  1M  [SR0603]  -37.33 107.01 0 top
R2180  1M  [SR0603]  -37.33 105.67 0 top
R2181  1M  [SR0603]  -37.33 104.32 0 top
R2182  1M  [SR0603]  -37.33 102.98 0 top
R2183  1M  [SR0603]  -37.33 101.63 0 top
R2184  1M  [SR0603]  -37.33 100.28 0 top
R2185  1M  [SR0603]  -37.33 98.94 0 top
R2186  1M  [SR0603]  -37.33 97.59 0 top
R2187  1M  [SR0603]  -37.33 96.24 0 top
R2188  1M  [SR0603]  -37.33 94.9 0 top
R2189  1M  [SR0603]  -37.33 93.55 0 top
R2190  1M  [SR0603]  -37.33 92.21 0 top
R2191  1M  [SR0603]  -37.33 90.86 0 top
R2192  1M  [SR0603]  -37.33 89.51 0 top
R2193  1M  [SR0603]  -37.33 88.17 0 top
R2194  1M  [SR0603]  -37.33 86.82 0 top
R2195  1M  [SR0603]  -37.33 85.47 0 top
R2196  1M  [SR0603]  -37.33 84.13 0 top
R2197  1M  [SR0603]  -37.33 82.78 0 top
R2198  1M  [SR0603]  -37.33 81.44 0 top
R2199  1M  [SR0603]  -37.33 80.09 0 top
R2200  1M  [SR0603]  -37.33 78.74 0 top
R2201  1M  [SR0603]  -37.33 77.4 0 top
R2202  1M  [SR0603]  -37.33 76.05 0 top
R2203  1M  [SR0603]  -37.33 74.71 0 top
R2204  1M  [SR0603]  -37.33 73.36 0 top
R2205  1M  [SR0603]  -37.33 72.01 0 top
R2206  1M  [SR0603]  -37.33 70.67 0 top
R2207  1M  [SR0603]  -37.33 69.32 0 top
R2208  1M  [SR0603]  -37.33 67.97 0 top
R2209  1M  [SR0603]  -37.33 66.63 0 top
R2210  1M  [SR0603]  -37.33 65.28 0 top
R2211  1M  [SR0603]  -37.33 63.94 0 top
R2212  1M  [SR0603]  -37.33 62.59 0 top
R2213  1M  [SR0603]  -37.33 61.24 0 top
R2214  1M  [SR0603]  -37.33 59.9 0 top
R2215  1M  [SR0603]  -37.33 58.55 0 top
R2216  1M  [SR0603]  -37.33 57.2 0 top
R2217  1M  [SR0603]  -37.33 55.86 0 top
R2218  1M  [SR0603]  -37.33 54.51 0 top
R2219  1M  [SR0603]  -37.33 53.17 0 top
R2220  1M  [SR0603]  -37.33 51.82 0 top
R2221  1M  [SR0603]  -37.33 50.47 0 top
R2222  1M  [SR0603]  -37.33 49.13 0 top
R2223  1M  [SR0603]  -37.33 47.78 0 top
R2224  1M  [SR0603]  -37.33 46.44 0 top
R2225  1M  [SR0603]  -37.33 45.09 0 top
R2226  1M  [SR0603]  -37.33 43.74 0 top
R2227  1M  [SR0603]  -37.33 42.4 0 top
R2228  1M  [SR0603]  -37.33 41.05 0 top
R2229  1M  [SR0603]  -37.33 39.7 0 top
R2230  1M  [SR0603]  -37.33 38.36 0 top
R2231  1M  [SR0603]  -37.33 37.01 0 top
R2232  1M  [SR0603]  -37.33 35.67 0 top
R2233  1M  [SR0603]  -37.33 34.32 0 top
R2234  1M  [SR0603]  -37.33 32.97 0 top
R2235  1M  [SR0603]  -37.33 31.63 0 top
R2236  1M  [SR0603]  -37.33 30.28 0 top
R2237  1M  [SR0603]  -37.33 28.93 0 top
R2238  1M  [SR0603]  -37.33 27.59 0 top
R2239  1M  [SR0603]  -37.33 26.24 0 top
R2240  1M  [SR0603]  -37.33 24.9 0 top
R2241  1M  [SR0603]  -37.33 23.55 0 top
R2242  1M  [SR0603]  -37.33 22.2 0 top
R2243  1M  [SR0603]  -37.33 20.86 0 top
R2244  1M  [SR0603]  -37.33 19.51 0 top
R2245  1M  [SR0603]  -37.33 18.16 0 top
R2246  1M  [SR0603]  -37.33 16.82 0 top
R2247  1M  [SR0603]  -37.33 15.47 0 top
R2248  1M  [SR0603]  -37.33 14.13 0 top
R2249  1M  [SR0603]  -37.33 12.78 0 top
R2250  1M  [SR0603]  -37.33 11.43 0 top
R2251  1M  [SR0603]  -37.33 10.09 0 top
R2252  1M  [SR0603]  -37.33 8.74 0 top
R2253  1M  [SR0603]  -37.33 7.4 0 top
R2254  1M  [SR0603]  -37.33 6.05 0 top
R2255  1M  [SR0603]  -37.33 4.7 0 top
